# Altium PCB D73-V1.2 交通灯系统.PcbDoc (part 3 of 3)
Units mm, origin at the board's own origin, x right, y up, seen from the top; angles counter-clockwise.
Board outline 234.25 x 96.25 mm, 2 copper layers (TopLayer, BottomLayer); 84 components, 157 nets, 428 pads, 59 vias.
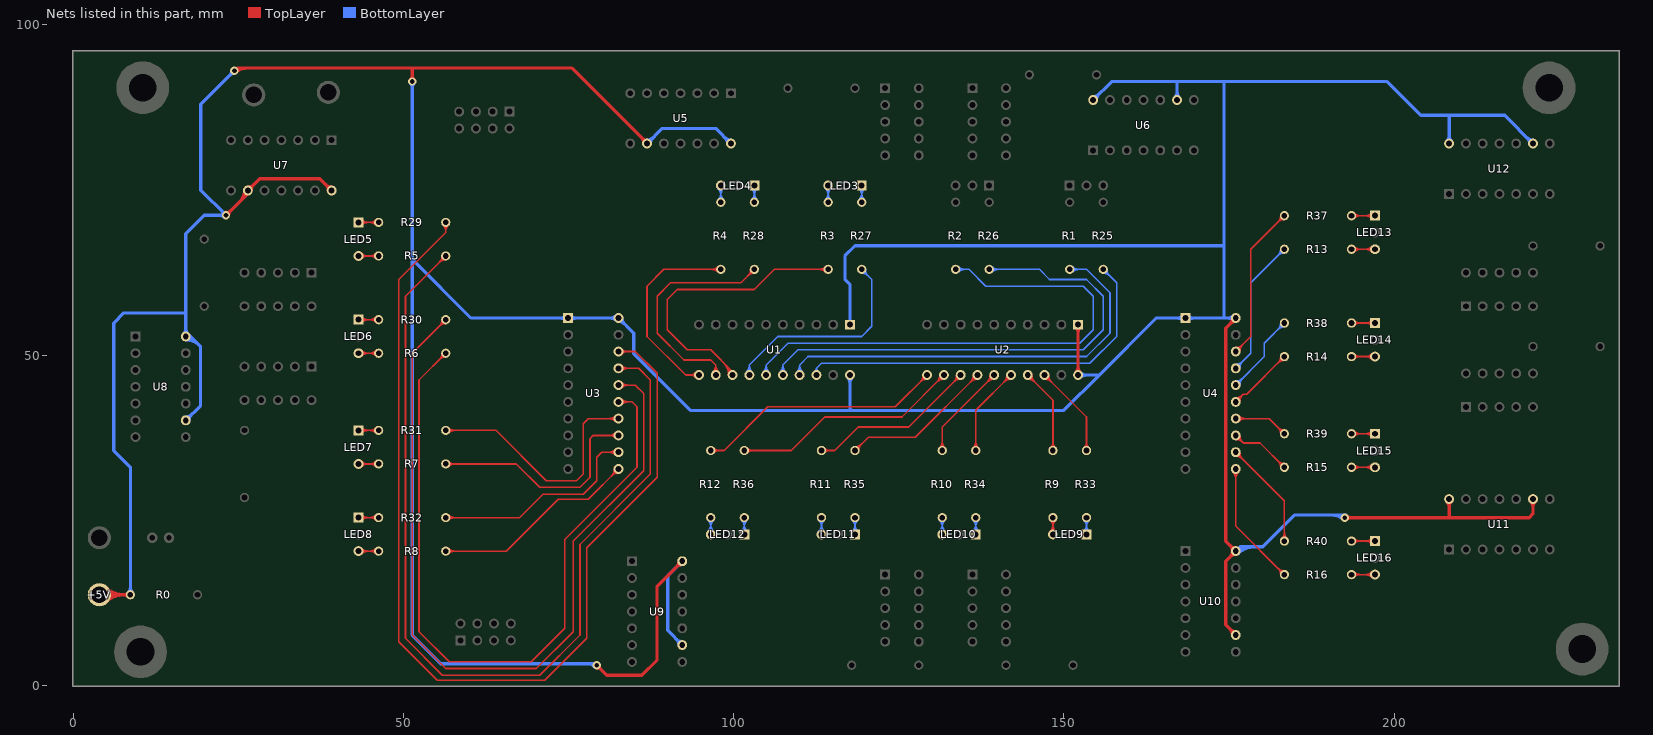
[diagram p3: the nets of this part, all layers, seen from the top]

## Via types
v1: diameter 1, hole 0.7, TopLayer to BottomLayer, 39 vias
v2: diameter 1.27, hole 0.711, TopLayer to BottomLayer, 20 vias

## Nets (pads, with @x,y where several pads share a name; then routed paths per layer and width w, separated by ;. In a path a pad name is that pad's centre, name@x,y a point inside that pad or via, vN(x,y) a via of type N, cw(c..) or ccw(c..) an arc to the next point about the centre after c; other vN are vias at no path point) (continued)
NetLED3_1: LED3.1 R27.2 | length 9.7
  BottomLayer w0.254: LED3.1@118.939,75.251 cw(c117.876,74.188) 119.38,74.188 cw(c120.884,74.188) LED3.1@119.821,75.251 ; R27.2@118.975,73.557 ccw(c117.997,74.535) 119.38,74.535 ccw(c120.763,74.535) R27.2@119.785,73.557 ; LED3.1@119.119,75.431 cw(c118.489,74.801) 119.38,74.801 cw(c120.271,74.801) LED3.1@119.641,75.431 ; R27.2@119.154,73.378 ccw(c118.61,73.922) 119.38,73.922 ccw(c120.15,73.922) R27.2@119.606,73.378 ; R27.2@119.38,73.152 LED3.1@119.38,75.692
NetLED3_3: LED3.3 R3.2 | length 9.7
  BottomLayer w0.254: LED3.3@113.859,75.251 cw(c112.796,74.188) 114.3,74.188 cw(c115.804,74.188) LED3.3@114.741,75.251 ; R3.2@113.895,73.557 ccw(c112.917,74.535) 114.3,74.535 ccw(c115.683,74.535) R3.2@114.705,73.557 ; LED3.3@114.039,75.431 cw(c113.409,74.801) 114.3,74.801 cw(c115.191,74.801) LED3.3@114.561,75.431 ; R3.2@114.074,73.378 ccw(c113.53,73.922) 114.3,73.922 ccw(c115.07,73.922) R3.2@114.526,73.378 ; R3.2@114.3,73.152 LED3.3@114.3,75.692
NetLED4_1: LED4.1 R28.2 | length 9.7
  BottomLayer w0.254: LED4.1@102.683,75.251 cw(c101.62,74.188) 103.124,74.188 cw(c104.628,74.188) LED4.1@103.565,75.251 ; R28.2@102.719,73.557 ccw(c101.741,74.535) 103.124,74.535 ccw(c104.507,74.535) R28.2@103.529,73.557 ; LED4.1@102.863,75.431 cw(c102.233,74.801) 103.124,74.801 cw(c104.015,74.801) LED4.1@103.385,75.431 ; R28.2@102.898,73.378 ccw(c102.354,73.922) 103.124,73.922 ccw(c103.894,73.922) R28.2@103.35,73.378 ; R28.2@103.124,73.152 LED4.1@103.124,75.692
NetLED4_3: LED4.3 R4.2 | length 9.7
  BottomLayer w0.254: LED4.3@97.603,75.251 cw(c96.54,74.188) 98.044,74.188 cw(c99.548,74.188) LED4.3@98.485,75.251 ; R4.2@97.639,73.557 ccw(c96.661,74.535) 98.044,74.535 ccw(c99.427,74.535) R4.2@98.449,73.557 ; LED4.3@97.783,75.431 cw(c97.153,74.801) 98.044,74.801 cw(c98.935,74.801) LED4.3@98.305,75.431 ; R4.2@97.818,73.378 ccw(c97.274,73.922) 98.044,73.922 ccw(c98.814,73.922) R4.2@98.27,73.378 ; R4.2@98.044,73.152 LED4.3@98.044,75.692
NetLED5_1: LED5.1 R29.1 | length 10.2
  TopLayer w0.254: LED5.1@43.18,70.104 R29.1@46.228,70.104 ; LED5.1@43.441,69.843 cw(c44.071,69.213) 44.071,70.104 cw(c44.071,70.995) LED5.1@43.441,70.365 ; LED5.1@43.621,69.663 cw(c44.684,68.6) 44.684,70.104 cw(c44.684,71.608) LED5.1@43.621,70.545 ; R29.1@45.823,69.699 ccw(c44.845,68.721) 44.845,70.104 ccw(c44.845,71.487) R29.1@45.823,70.509 ; R29.1@46.002,69.878 ccw(c45.458,69.334) 45.458,70.104 ccw(c45.458,70.874) R29.1@46.002,70.33
NetLED5_3: LED5.3 R5.2 | length 10.2
  TopLayer w0.254: LED5.3@43.18,65.024 R5.2@46.228,65.024 ; LED5.3@43.441,64.763 cw(c44.071,64.133) 44.071,65.024 cw(c44.071,65.915) LED5.3@43.441,65.285 ; LED5.3@43.621,64.583 cw(c44.684,63.52) 44.684,65.024 cw(c44.684,66.528) LED5.3@43.621,65.465 ; R5.2@45.823,64.619 ccw(c44.845,63.641) 44.845,65.024 ccw(c44.845,66.407) R5.2@45.823,65.429 ; R5.2@46.002,64.798 ccw(c45.458,64.254) 45.458,65.024 ccw(c45.458,65.794) R5.2@46.002,65.25
NetLED6_1: LED6.1 R30.1 | length 10.2
  TopLayer w0.254: LED6.1@43.18,55.372 R30.1@46.228,55.372 ; LED6.1@43.441,55.111 cw(c44.071,54.481) 44.071,55.372 cw(c44.071,56.263) LED6.1@43.441,55.633 ; LED6.1@43.621,54.931 cw(c44.684,53.868) 44.684,55.372 cw(c44.684,56.876) LED6.1@43.621,55.813 ; R30.1@45.823,54.967 ccw(c44.845,53.989) 44.845,55.372 ccw(c44.845,56.755) R30.1@45.823,55.777 ; R30.1@46.002,55.146 ccw(c45.458,54.602) 45.458,55.372 ccw(c45.458,56.142) R30.1@46.002,55.598
NetLED6_3: LED6.3 R6.2 | length 10.2
  TopLayer w0.254: LED6.3@43.18,50.292 R6.2@46.228,50.292 ; LED6.3@43.441,50.031 cw(c44.071,49.401) 44.071,50.292 cw(c44.071,51.183) LED6.3@43.441,50.553 ; LED6.3@43.621,49.851 cw(c44.684,48.788) 44.684,50.292 cw(c44.684,51.796) LED6.3@43.621,50.733 ; R6.2@45.823,49.887 ccw(c44.845,48.909) 44.845,50.292 ccw(c44.845,51.675) R6.2@45.823,50.697 ; R6.2@46.002,50.066 ccw(c45.458,49.522) 45.458,50.292 ccw(c45.458,51.062) R6.2@46.002,50.518
NetLED7_1: LED7.1 R31.1 | length 10.2
  TopLayer w0.254: LED7.1@43.18,38.608 R31.1@46.228,38.608 ; LED7.1@43.441,38.347 cw(c44.071,37.717) 44.071,38.608 cw(c44.071,39.499) LED7.1@43.441,38.869 ; LED7.1@43.621,38.167 cw(c44.684,37.104) 44.684,38.608 cw(c44.684,40.112) LED7.1@43.621,39.049 ; R31.1@45.823,38.203 ccw(c44.845,37.225) 44.845,38.608 ccw(c44.845,39.991) R31.1@45.823,39.013 ; R31.1@46.002,38.382 ccw(c45.458,37.838) 45.458,38.608 ccw(c45.458,39.378) R31.1@46.002,38.834
NetLED7_3: LED7.3 R7.2 | length 10.2
  TopLayer w0.254: LED7.3@43.18,33.528 R7.2@46.228,33.528 ; LED7.3@43.441,33.267 cw(c44.071,32.637) 44.071,33.528 cw(c44.071,34.419) LED7.3@43.441,33.789 ; LED7.3@43.621,33.087 cw(c44.684,32.024) 44.684,33.528 cw(c44.684,35.032) LED7.3@43.621,33.969 ; R7.2@45.823,33.123 ccw(c44.845,32.145) 44.845,33.528 ccw(c44.845,34.911) R7.2@45.823,33.933 ; R7.2@46.002,33.302 ccw(c45.458,32.758) 45.458,33.528 ccw(c45.458,34.298) R7.2@46.002,33.754
NetLED8_1: LED8.1 R32.1 | length 10.2
  TopLayer w0.254: LED8.1@43.18,25.4 R32.1@46.228,25.4 ; LED8.1@43.441,25.139 cw(c44.071,24.509) 44.071,25.4 cw(c44.071,26.291) LED8.1@43.441,25.661 ; LED8.1@43.621,24.959 cw(c44.684,23.896) 44.684,25.4 cw(c44.684,26.904) LED8.1@43.621,25.841 ; R32.1@45.823,24.995 ccw(c44.845,24.017) 44.845,25.4 ccw(c44.845,26.783) R32.1@45.823,25.805 ; R32.1@46.002,25.174 ccw(c45.458,24.63) 45.458,25.4 ccw(c45.458,26.17) R32.1@46.002,25.626
NetLED8_3: LED8.3 R8.2 | length 10.2
  TopLayer w0.254: LED8.3@43.18,20.32 R8.2@46.228,20.32 ; LED8.3@43.441,20.059 cw(c44.071,19.429) 44.071,20.32 cw(c44.071,21.211) LED8.3@43.441,20.581 ; LED8.3@43.621,19.879 cw(c44.684,18.816) 44.684,20.32 cw(c44.684,21.824) LED8.3@43.621,20.761 ; R8.2@45.823,19.915 ccw(c44.845,18.937) 44.845,20.32 ccw(c44.845,21.703) R8.2@45.823,20.725 ; R8.2@46.002,20.094 ccw(c45.458,19.55) 45.458,20.32 ccw(c45.458,21.09) R8.2@46.002,20.546
NetLED9_1: LED9.1 R33.2 | length 9.7
  BottomLayer w0.254: LED9.1@152.975,23.301 ccw(c151.912,24.364) 153.416,24.364 ccw(c154.92,24.364) LED9.1@153.857,23.301 ; R33.2@153.011,24.995 cw(c152.033,24.017) 153.416,24.017 cw(c154.799,24.017) R33.2@153.821,24.995 ; LED9.1@153.155,23.121 ccw(c152.525,23.751) 153.416,23.751 ccw(c154.307,23.751) LED9.1@153.677,23.121 ; R33.2@153.19,25.174 cw(c152.646,24.63) 153.416,24.63 cw(c154.186,24.63) R33.2@153.642,25.174 ; LED9.1@153.416,22.86 R33.2@153.416,25.4
NetLED9_3: LED9.3 R9.2 | length 9.7
  TopLayer w0.254: LED9.3@147.895,23.301 ccw(c146.832,24.364) 148.336,24.364 ccw(c149.84,24.364) LED9.3@148.777,23.301 ; R9.2@147.931,24.995 cw(c146.953,24.017) 148.336,24.017 cw(c149.719,24.017) R9.2@148.741,24.995 ; LED9.3@148.075,23.121 ccw(c147.445,23.751) 148.336,23.751 ccw(c149.227,23.751) LED9.3@148.597,23.121 ; R9.2@148.11,25.174 cw(c147.566,24.63) 148.336,24.63 cw(c149.106,24.63) R9.2@148.562,25.174 ; LED9.3@148.336,22.86 R9.2@148.336,25.4
NetLED10_1: LED10.1 R34.2 | length 9.7
  BottomLayer w0.254: LED10.1@136.211,23.301 ccw(c135.148,24.364) 136.652,24.364 ccw(c138.156,24.364) LED10.1@137.093,23.301 ; R34.2@136.247,24.995 cw(c135.269,24.017) 136.652,24.017 cw(c138.035,24.017) R34.2@137.057,24.995 ; LED10.1@136.391,23.121 ccw(c135.761,23.751) 136.652,23.751 ccw(c137.543,23.751) LED10.1@136.913,23.121 ; R34.2@136.426,25.174 cw(c135.882,24.63) 136.652,24.63 cw(c137.422,24.63) R34.2@136.878,25.174 ; LED10.1@136.652,22.86 R34.2@136.652,25.4
NetLED10_3: LED10.3 R10.2 | length 9.7
  BottomLayer w0.254: LED10.3@131.131,23.301 ccw(c130.068,24.364) 131.572,24.364 ccw(c133.076,24.364) LED10.3@132.013,23.301 ; R10.2@131.167,24.995 cw(c130.189,24.017) 131.572,24.017 cw(c132.955,24.017) R10.2@131.977,24.995 ; LED10.3@131.311,23.121 ccw(c130.681,23.751) 131.572,23.751 ccw(c132.463,23.751) LED10.3@131.833,23.121 ; R10.2@131.346,25.174 cw(c130.802,24.63) 131.572,24.63 cw(c132.342,24.63) R10.2@131.798,25.174 ; LED10.3@131.572,22.86 R10.2@131.572,25.4
NetLED11_1: LED11.1 R35.2 | length 9.7
  BottomLayer w0.254: LED11.1@117.923,23.301 ccw(c116.86,24.364) 118.364,24.364 ccw(c119.868,24.364) LED11.1@118.805,23.301 ; R35.2@117.959,24.995 cw(c116.981,24.017) 118.364,24.017 cw(c119.747,24.017) R35.2@118.769,24.995 ; LED11.1@118.103,23.121 ccw(c117.473,23.751) 118.364,23.751 ccw(c119.255,23.751) LED11.1@118.625,23.121 ; R35.2@118.138,25.174 cw(c117.594,24.63) 118.364,24.63 cw(c119.134,24.63) R35.2@118.59,25.174 ; LED11.1@118.364,22.86 R35.2@118.364,25.4
NetLED11_3: LED11.3 R11.2 | length 9.7
  BottomLayer w0.254: LED11.3@112.843,23.301 ccw(c111.78,24.364) 113.284,24.364 ccw(c114.788,24.364) LED11.3@113.725,23.301 ; R11.2@112.879,24.995 cw(c111.901,24.017) 113.284,24.017 cw(c114.667,24.017) R11.2@113.689,24.995 ; LED11.3@113.023,23.121 ccw(c112.393,23.751) 113.284,23.751 ccw(c114.175,23.751) LED11.3@113.545,23.121 ; R11.2@113.058,25.174 cw(c112.514,24.63) 113.284,24.63 cw(c114.054,24.63) R11.2@113.51,25.174 ; LED11.3@113.284,22.86 R11.2@113.284,25.4
NetLED12_1: LED12.1 R36.2 | length 9.7
  BottomLayer w0.254: LED12.1@101.159,23.301 ccw(c100.096,24.364) 101.6,24.364 ccw(c103.104,24.364) LED12.1@102.041,23.301 ; R36.2@101.195,24.995 cw(c100.217,24.017) 101.6,24.017 cw(c102.983,24.017) R36.2@102.005,24.995 ; LED12.1@101.339,23.121 ccw(c100.709,23.751) 101.6,23.751 ccw(c102.491,23.751) LED12.1@101.861,23.121 ; R36.2@101.374,25.174 cw(c100.83,24.63) 101.6,24.63 cw(c102.37,24.63) R36.2@101.826,25.174 ; LED12.1@101.6,22.86 R36.2@101.6,25.4
NetLED12_3: LED12.3 R12.2 | length 9.7
  BottomLayer w0.254: LED12.3@96.079,23.301 ccw(c95.016,24.364) 96.52,24.364 ccw(c98.024,24.364) LED12.3@96.961,23.301 ; R12.2@96.115,24.995 cw(c95.137,24.017) 96.52,24.017 cw(c97.903,24.017) R12.2@96.925,24.995 ; LED12.3@96.259,23.121 ccw(c95.629,23.751) 96.52,23.751 ccw(c97.411,23.751) LED12.3@96.781,23.121 ; R12.2@96.294,25.174 cw(c95.75,24.63) 96.52,24.63 cw(c97.29,24.63) R12.2@96.746,25.174 ; LED12.3@96.52,22.86 R12.2@96.52,25.4
NetLED13_1: LED13.1 R37.2 | length 10.7
  TopLayer w0.254: R37.2@193.548,71.12 LED13.1@197.104,71.12 ; R37.2@193.774,70.894 cw(c194.318,70.35) 194.318,71.12 cw(c194.318,71.89) R37.2@193.774,71.346 ; R37.2@193.953,70.715 cw(c194.931,69.737) 194.931,71.12 cw(c194.931,72.503) R37.2@193.953,71.525 ; LED13.1@196.663,70.679 ccw(c195.6,69.616) 195.6,71.12 ccw(c195.6,72.624) LED13.1@196.663,71.561 ; LED13.1@196.843,70.859 ccw(c196.213,70.229) 196.213,71.12 ccw(c196.213,72.011) LED13.1@196.843,71.381
NetLED13_3: LED13.3 R13.2 | length 10.7
  TopLayer w0.254: R13.2@193.548,66.04 LED13.3@197.104,66.04 ; R13.2@193.774,65.814 cw(c194.318,65.27) 194.318,66.04 cw(c194.318,66.81) R13.2@193.774,66.266 ; R13.2@193.953,65.635 cw(c194.931,64.657) 194.931,66.04 cw(c194.931,67.423) R13.2@193.953,66.445 ; LED13.3@196.663,65.599 ccw(c195.6,64.536) 195.6,66.04 ccw(c195.6,67.544) LED13.3@196.663,66.481 ; LED13.3@196.843,65.779 ccw(c196.213,65.149) 196.213,66.04 ccw(c196.213,66.931) LED13.3@196.843,66.301
NetLED14_1: LED14.1 R38.2 | length 10.7
  TopLayer w0.254: R38.2@193.548,54.864 LED14.1@197.104,54.864 ; R38.2@193.774,54.638 cw(c194.318,54.094) 194.318,54.864 cw(c194.318,55.634) R38.2@193.774,55.09 ; R38.2@193.953,54.459 cw(c194.931,53.481) 194.931,54.864 cw(c194.931,56.247) R38.2@193.953,55.269 ; LED14.1@196.663,54.423 ccw(c195.6,53.36) 195.6,54.864 ccw(c195.6,56.368) LED14.1@196.663,55.305 ; LED14.1@196.843,54.603 ccw(c196.213,53.973) 196.213,54.864 ccw(c196.213,55.755) LED14.1@196.843,55.125
NetLED14_3: LED14.3 R14.2 | length 10.7
  TopLayer w0.254: R14.2@193.548,49.784 LED14.3@197.104,49.784 ; R14.2@193.774,49.558 cw(c194.318,49.014) 194.318,49.784 cw(c194.318,50.554) R14.2@193.774,50.01 ; R14.2@193.953,49.379 cw(c194.931,48.401) 194.931,49.784 cw(c194.931,51.167) R14.2@193.953,50.189 ; LED14.3@196.663,49.343 ccw(c195.6,48.28) 195.6,49.784 ccw(c195.6,51.288) LED14.3@196.663,50.225 ; LED14.3@196.843,49.523 ccw(c196.213,48.893) 196.213,49.784 ccw(c196.213,50.675) LED14.3@196.843,50.045
NetLED15_1: LED15.1 R39.2 | length 10.7
  TopLayer w0.254: R39.2@193.548,38.1 LED15.1@197.104,38.1 ; R39.2@193.774,37.874 cw(c194.318,37.33) 194.318,38.1 cw(c194.318,38.87) R39.2@193.774,38.326 ; R39.2@193.953,37.695 cw(c194.931,36.717) 194.931,38.1 cw(c194.931,39.483) R39.2@193.953,38.505 ; LED15.1@196.663,37.659 ccw(c195.6,36.596) 195.6,38.1 ccw(c195.6,39.604) LED15.1@196.663,38.541 ; LED15.1@196.843,37.839 ccw(c196.213,37.209) 196.213,38.1 ccw(c196.213,38.991) LED15.1@196.843,38.361
NetLED15_3: LED15.3 R15.2 | length 10.7
  TopLayer w0.254: R15.2@193.548,33.02 LED15.3@197.104,33.02 ; R15.2@193.774,32.794 cw(c194.318,32.25) 194.318,33.02 cw(c194.318,33.79) R15.2@193.774,33.246 ; R15.2@193.953,32.615 cw(c194.931,31.637) 194.931,33.02 cw(c194.931,34.403) R15.2@193.953,33.425 ; LED15.3@196.663,32.579 ccw(c195.6,31.516) 195.6,33.02 ccw(c195.6,34.524) LED15.3@196.663,33.461 ; LED15.3@196.843,32.759 ccw(c196.213,32.129) 196.213,33.02 ccw(c196.213,33.911) LED15.3@196.843,33.281
NetLED16_1: LED16.1 R40.2 | length 10.7
  TopLayer w0.254: R40.2@193.548,21.844 LED16.1@197.104,21.844 ; R40.2@193.774,21.618 cw(c194.318,21.074) 194.318,21.844 cw(c194.318,22.614) R40.2@193.774,22.07 ; R40.2@193.953,21.439 cw(c194.931,20.461) 194.931,21.844 cw(c194.931,23.227) R40.2@193.953,22.249 ; LED16.1@196.663,21.403 ccw(c195.6,20.34) 195.6,21.844 ccw(c195.6,23.348) LED16.1@196.663,22.285 ; LED16.1@196.843,21.583 ccw(c196.213,20.953) 196.213,21.844 ccw(c196.213,22.735) LED16.1@196.843,22.105
NetLED16_3: LED16.3 R16.2 | length 10.7
  TopLayer w0.254: R16.2@193.548,16.764 LED16.3@197.104,16.764 ; R16.2@193.774,16.538 cw(c194.318,15.994) 194.318,16.764 cw(c194.318,17.534) R16.2@193.774,16.99 ; R16.2@193.953,16.359 cw(c194.931,15.381) 194.931,16.764 cw(c194.931,18.147) R16.2@193.953,17.169 ; LED16.3@196.663,16.323 ccw(c195.6,15.26) 195.6,16.764 ccw(c195.6,18.268) LED16.3@196.663,17.205 ; LED16.3@196.843,16.503 ccw(c196.213,15.873) 196.213,16.764 ccw(c196.213,17.655) LED16.3@196.843,17.025
NetR1_1: R1.1 U1.17 | length 71.3
  BottomLayer w0.254: U1.17@109.541,47.431 ccw(c108.478,48.494) 109.982,48.494 ccw(c111.486,48.494) U1.17@110.423,47.431 ; U1.17@109.721,47.251 ccw(c109.091,47.881) 109.982,47.881 ccw(c110.873,47.881) U1.17@110.243,47.251 ; U1.17@109.982,46.99 109.982,48.514 111.252,49.784 153.416,49.784 156.972,53.34 156.972,59.436 153.416,62.992 R1.1@150.876,62.992 ; R1.1@151.102,62.766 cw(c151.646,62.222) 151.646,62.992 cw(c151.646,63.762) R1.1@151.102,63.218 ; R1.1@151.281,62.587 cw(c152.259,61.609) 152.259,62.992 cw(c152.259,64.375) R1.1@151.281,63.397
NetR2_1: R2.1 U1.15 | length 88
  BottomLayer w0.254: U1.15@104.461,47.431 ccw(c103.398,48.494) 104.902,48.494 ccw(c106.406,48.494) U1.15@105.343,47.431 ; U1.15@104.641,47.251 ccw(c104.011,47.881) 104.902,47.881 ccw(c105.793,47.881) U1.15@105.163,47.251 ; U1.15@104.902,46.99 104.902,48.514 108.204,51.816 152.4,51.816 154.432,53.848 154.432,58.928 152.908,60.452 138.176,60.452 135.636,62.992 R2.1@133.604,62.992 ; R2.1@133.83,62.766 cw(c134.374,62.222) 134.374,62.992 cw(c134.374,63.762) R2.1@133.83,63.218 ; R2.1@134.009,62.587 cw(c134.987,61.609) 134.987,62.992 cw(c134.987,64.375) R2.1@134.009,63.397
NetR3_1: R3.1 U1.13 | length 52.3
  TopLayer w0.254: 98.399,48.921 cw(c96.469,46.99) U1.13@99.199,46.99 ; 98.833,48.487 cw(c97.336,46.99) U1.13@99.453,46.99 ; 99.266,48.054 cw(c98.203,46.99) U1.13@99.707,46.99 ; U1.13@99.822,46.99 99.822,47.498 96.52,50.8 92.964,50.8 89.916,53.848 89.916,58.42 91.44,59.944 103.124,59.944 106.172,62.992 R3.1@114.3,62.992 ; R3.1@113.895,62.587 ccw(c112.917,61.609) 112.917,62.992 ccw(c112.917,64.375) R3.1@113.895,63.397 ; R3.1@114.074,62.766 ccw(c113.53,62.222) 113.53,62.992 ccw(c113.53,63.762) R3.1@114.074,63.218
NetR4_1: R4.1 U1.11 | length 37.3
  TopLayer w0.254: U1.11@94.301,46.549 ccw(c93.238,45.486) 93.238,46.99 ccw(c93.238,48.494) U1.11@94.301,47.431 ; U1.11@94.481,46.729 ccw(c93.851,46.099) 93.851,46.99 ccw(c93.851,47.881) U1.11@94.481,47.251 ; U1.11@94.742,46.99 92.71,46.99 86.868,52.832 86.868,60.452 89.408,62.992 R4.1@98.044,62.992 ; R4.1@97.639,62.587 ccw(c96.661,61.609) 96.661,62.992 ccw(c96.661,64.375) R4.1@97.639,63.397 ; R4.1@97.818,62.766 ccw(c97.274,62.222) 97.274,62.992 ccw(c97.274,63.762) R4.1@97.818,63.218
NetR5_1: R5.1 U3.17 | length 147.4
  TopLayer w0.254: R5.1@55.815,65.024 cw(c54.432,65.024) 55.41,64.046 cw(c56.388,63.068) R5.1@56.388,64.451 ; R5.1@56.069,65.024 cw(c55.299,65.024) 55.843,64.479 cw(c56.388,63.935) R5.1@56.388,64.705 ; R5.1@56.388,65.024 50.292,58.928 50.292,7.112 55.88,1.524 70.612,1.524 76.708,7.62 76.708,21.336 87.376,32.004 87.376,46.228 85.598,48.006 U3.17@82.55,48.006 ; U3.17@82.811,47.745 cw(c83.441,47.115) 83.441,48.006 cw(c83.441,48.897) U3.17@82.811,48.267 ; U3.17@82.991,47.565 cw(c84.054,46.502) 84.054,48.006 cw(c84.054,49.51) U3.17@82.991,48.447
NetR6_1: R6.1 U3.15 | length 118.3
  TopLayer w0.254: R6.1@55.815,50.292 cw(c54.432,50.292) 55.41,49.314 cw(c56.388,48.336) R6.1@56.388,49.719 ; R6.1@56.069,50.292 cw(c55.299,50.292) 55.843,49.747 cw(c56.388,49.203) R6.1@56.388,49.973 ; R6.1@56.388,50.292 52.324,46.228 52.324,8.128 56.896,3.556 69.349,3.556 74.414,8.621 74.414,22.09 85.344,33.02 85.344,42.164 84.582,42.926 U3.15@82.55,42.926 ; U3.15@82.811,42.665 cw(c83.441,42.035) 83.441,42.926 cw(c83.441,43.817) U3.15@82.811,43.187 ; U3.15@82.991,42.485 cw(c84.054,41.422) 84.054,42.926 cw(c84.054,44.43) U3.15@82.991,43.367
NetR7_1: R7.1 U3.13 | length 41.5
  TopLayer w0.254: R7.1@56.388,33.528 67.056,33.528 70.612,29.972 76.708,29.972 78.232,31.496 78.232,37.346 78.732,37.846 U3.13@82.55,37.846 ; R7.1@56.614,33.302 cw(c57.158,32.758) 57.158,33.528 cw(c57.158,34.298) R7.1@56.614,33.754 ; R7.1@56.793,33.123 cw(c57.771,32.145) 57.771,33.528 cw(c57.771,34.911) R7.1@56.793,33.933 ; U3.13@82.109,37.405 ccw(c81.046,36.342) 81.046,37.846 ccw(c81.046,39.35) U3.13@82.109,38.287 ; U3.13@82.289,37.585 ccw(c81.659,36.955) 81.659,37.846 ccw(c81.659,38.737) U3.13@82.289,38.107
NetR8_1: R8.1 U3.11 | length 38.5
  TopLayer w0.254: R8.1@56.388,20.32 65.532,20.32 73.412,28.2 77.984,28.2 U3.11@82.55,32.766 ; R8.1@56.614,20.094 cw(c57.158,19.55) 57.158,20.32 cw(c57.158,21.09) R8.1@56.614,20.546 ; R8.1@56.793,19.915 cw(c57.771,18.937) 57.771,20.32 cw(c57.771,21.703) R8.1@56.793,20.725 ; U3.11@81.927,32.766 cw(c80.423,32.766) 81.486,31.702 cw(c82.55,30.639) U3.11@82.55,32.143 ; U3.11@82.181,32.766 cw(c81.29,32.766) 81.92,32.136 cw(c82.55,31.506) U3.11@82.55,32.397
NetR9_1: R9.1 U2.17 | length 20.2
  TopLayer w0.254: U2.17@144.526,46.367 cw(c144.526,44.863) 145.59,45.926 cw(c146.653,46.99) U2.17@145.149,46.99 ; U2.17@144.526,46.621 cw(c144.526,45.73) 145.156,46.36 cw(c145.786,46.99) U2.17@144.895,46.99 ; U2.17@144.526,46.99 148.336,43.18 R9.1@148.336,35.56 ; R9.1@147.931,35.965 ccw(c146.953,36.943) 148.336,36.943 ccw(c149.719,36.943) R9.1@148.741,35.965 ; R9.1@148.11,35.786 ccw(c147.566,36.33) 148.336,36.33 ccw(c149.106,36.33) R9.1@148.562,35.786
NetR10_1: R10.1 U2.15 | length 21.8
  TopLayer w0.254: R10.1@131.167,35.965 ccw(c130.189,36.943) 131.572,36.943 ccw(c132.955,36.943) R10.1@131.977,35.965 ; R10.1@131.346,35.786 ccw(c130.802,36.33) 131.572,36.33 ccw(c132.342,36.33) R10.1@131.798,35.786 ; R10.1@131.572,35.56 131.572,39.116 U2.15@139.446,46.99 ; U2.15@138.823,46.99 cw(c137.319,46.99) 138.382,45.926 cw(c139.446,44.863) U2.15@139.446,46.367 ; U2.15@139.077,46.99 cw(c138.186,46.99) 138.816,46.36 cw(c139.446,45.73) U2.15@139.446,46.621
NetR11_1: R11.1 U2.13 | length 33
  TopLayer w0.254: R11.1@113.284,35.56 115.316,35.56 118.872,39.116 126.492,39.116 U2.13@134.366,46.99 ; R11.1@113.51,35.334 cw(c114.054,34.79) 114.054,35.56 cw(c114.054,36.33) R11.1@113.51,35.786 ; R11.1@113.689,35.155 cw(c114.667,34.177) 114.667,35.56 cw(c114.667,36.943) R11.1@113.689,35.965 ; U2.13@133.743,46.99 cw(c132.239,46.99) 133.302,45.926 cw(c134.366,44.863) U2.13@134.366,46.367 ; U2.13@133.997,46.99 cw(c133.106,46.99) 133.736,46.36 cw(c134.366,45.73) U2.13@134.366,46.621
NetR12_1: R12.1 U2.11 | length 44.6
  TopLayer w0.254: R12.1@96.52,35.56 98.552,35.56 105.156,42.164 124.46,42.164 U2.11@129.286,46.99 ; R12.1@96.746,35.334 cw(c97.29,34.79) 97.29,35.56 cw(c97.29,36.33) R12.1@96.746,35.786 ; R12.1@96.925,35.155 cw(c97.903,34.177) 97.903,35.56 cw(c97.903,36.943) R12.1@96.925,35.965 ; U2.11@128.663,46.99 cw(c127.159,46.99) 128.222,45.926 cw(c129.286,44.863) U2.11@129.286,46.367 ; U2.11@128.917,46.99 cw(c128.026,46.99) 128.656,46.36 cw(c129.286,45.73) U2.11@129.286,46.621
NetR13_1: R13.1 U4.17 | length 28.2
  BottomLayer w0.254: U4.17@176.022,48.006 178.308,50.292 178.308,60.96 R13.1@183.388,66.04 ; U4.17@176.022,48.375 ccw(c176.022,49.266) 176.652,48.636 ccw(c177.282,48.006) U4.17@176.391,48.006 ; U4.17@176.022,48.629 ccw(c176.022,50.133) 177.086,49.07 ccw(c178.149,48.006) U4.17@176.645,48.006 ; R13.1@182.815,66.04 cw(c181.432,66.04) 182.41,65.062 cw(c183.388,64.084) R13.1@183.388,65.467 ; R13.1@183.069,66.04 cw(c182.299,66.04) 182.843,65.495 cw(c183.388,64.951) R13.1@183.388,65.721
NetR14_1: R14.1 U4.15 | length 17.4
  TopLayer w0.254: U4.15@176.022,42.926 177.165,44.069 177.673,44.069 R14.1@183.388,49.784 ; U4.15@176.022,43.295 ccw(c176.022,44.186) 176.652,43.556 ccw(c177.282,42.926) U4.15@176.391,42.926 ; U4.15@176.022,43.549 ccw(c176.022,45.053) 177.086,43.99 ccw(c178.149,42.926) U4.15@176.645,42.926 ; R14.1@182.815,49.784 cw(c181.432,49.784) 182.41,48.806 cw(c183.388,47.828) R14.1@183.388,49.211 ; R14.1@183.069,49.784 cw(c182.299,49.784) 182.843,49.239 cw(c183.388,48.695) R14.1@183.388,49.465
NetR15_1: R15.1 U4.13 | length 16.5
  TopLayer w0.254: U4.13@176.022,37.223 cw(c176.022,35.719) 177.086,36.782 cw(c178.149,37.846) U4.13@176.645,37.846 ; U4.13@176.022,37.477 cw(c176.022,36.586) 176.652,37.216 cw(c177.282,37.846) U4.13@176.391,37.846 ; U4.13@176.022,37.846 177.165,36.703 179.705,36.703 R15.1@183.388,33.02 ; R15.1@182.815,33.02 ccw(c181.432,33.02) 182.41,33.998 ccw(c183.388,34.976) R15.1@183.388,33.593 ; R15.1@183.069,33.02 ccw(c182.299,33.02) 182.843,33.565 ccw(c183.388,34.109) R15.1@183.388,33.339
NetR16_1: R16.1 U4.11 | length 26.2
  TopLayer w0.254: U4.11@175.581,32.325 cw(c174.518,31.262) 176.022,31.262 cw(c177.526,31.262) U4.11@176.463,32.325 ; U4.11@175.761,32.505 cw(c175.131,31.875) 176.022,31.875 cw(c176.913,31.875) U4.11@176.283,32.505 ; U4.11@176.022,32.766 176.022,24.13 R16.1@183.388,16.764 ; R16.1@182.815,16.764 ccw(c181.432,16.764) 182.41,17.742 ccw(c183.388,18.72) R16.1@183.388,17.337 ; R16.1@183.069,16.764 ccw(c182.299,16.764) 182.843,17.309 ccw(c183.388,17.853) R16.1@183.388,17.083
NetR25_1: R25.1 U1.18 | length 64
  BottomLayer w0.254: U1.18@112.239,47.545 ccw(c112.005,48.006) 112.522,48.006 ; U1.18@112.522,46.99 112.522,48.006 ; U1.18@112.805,47.545 cw(c113.039,48.006) 112.522,48.006 ; R25.1@155.956,62.419 cw(c155.956,61.036) 156.934,62.014 cw(c157.912,62.992) R25.1@156.529,62.992 ; R25.1@155.956,62.673 cw(c155.956,61.903) 156.501,62.447 cw(c157.045,62.992) R25.1@156.275,62.992 ; R25.1@155.956,62.992 157.988,60.96 157.988,52.832 153.924,48.768 113.284,48.768 112.522,48.006
NetR26_1: R26.1 U1.16 | length 83.4
  BottomLayer w0.254: U1.16@107.001,47.431 ccw(c105.938,48.494) 107.442,48.494 ccw(c108.946,48.494) U1.16@107.883,47.431 ; U1.16@107.181,47.251 ccw(c106.551,47.881) 107.442,47.881 ccw(c108.333,47.881) U1.16@107.703,47.251 ; U1.16@107.442,46.99 107.442,48.514 109.728,50.8 152.908,50.8 155.956,53.848 155.956,58.928 153.416,61.468 147.828,61.468 146.304,62.992 R26.1@138.684,62.992 ; R26.1@138.91,62.766 cw(c139.454,62.222) 139.454,62.992 cw(c139.454,63.762) R26.1@138.91,63.218 ; R26.1@139.089,62.587 cw(c140.067,61.609) 140.067,62.992 cw(c140.067,64.375) R26.1@139.089,63.397
NetR27_1: R27.1 U1.14 | length 38.9
  BottomLayer w0.254: U1.14@101.921,47.431 ccw(c100.858,48.494) 102.362,48.494 ccw(c103.866,48.494) U1.14@102.803,47.431 ; U1.14@102.101,47.251 ccw(c101.471,47.881) 102.362,47.881 ccw(c103.253,47.881) U1.14@102.623,47.251 ; U1.14@102.362,46.99 102.362,48.514 106.68,52.832 119.38,52.832 120.904,54.356 120.904,61.468 R27.1@119.38,62.992 ; R27.1@119.38,62.419 cw(c119.38,61.036) 120.358,62.014 cw(c121.336,62.992) R27.1@119.953,62.992 ; R27.1@119.38,62.673 cw(c119.38,61.903) 119.925,62.447 cw(c120.469,62.992) R27.1@119.699,62.992
NetR28_1: R28.1 U1.12 | length 41.6
  TopLayer w0.254: U1.12@96.841,47.431 ccw(c95.778,48.494) 97.282,48.494 ccw(c98.786,48.494) U1.12@97.723,47.431 ; U1.12@97.021,47.251 ccw(c96.391,47.881) 97.282,47.881 ccw(c98.173,47.881) U1.12@97.543,47.251 ; U1.12@97.282,46.99 97.282,48.514 96.52,49.276 92.456,49.276 88.392,53.34 88.392,58.928 90.424,60.96 101.092,60.96 R28.1@103.124,62.992 ; R28.1@102.551,62.992 cw(c101.168,62.992) 102.146,62.014 cw(c103.124,61.036) R28.1@103.124,62.419 ; R28.1@102.805,62.992 cw(c102.035,62.992) 102.579,62.447 cw(c103.124,61.903) R28.1@103.124,62.673
NetR29_2: R29.2 U3.18 | length 158.8
  TopLayer w0.254: R29.2@55.983,69.699 cw(c55.005,68.721) 56.388,68.721 cw(c57.771,68.721) R29.2@56.793,69.699 ; R29.2@56.162,69.878 cw(c55.618,69.334) 56.388,69.334 cw(c57.158,69.334) R29.2@56.614,69.878 ; R29.2@56.388,70.104 56.388,68.58 49.276,61.468 49.276,6.604 55.11,0.77 71.382,0.77 77.724,7.112 77.724,20.828 88.392,31.496 88.392,47.244 85.09,50.546 U3.18@82.55,50.546 ; U3.18@82.811,50.285 cw(c83.441,49.655) 83.441,50.546 cw(c83.441,51.437) U3.18@82.811,50.807 ; U3.18@82.991,50.105 cw(c84.054,49.042) 84.054,50.546 cw(c84.054,52.05) U3.18@82.991,50.987
NetR30_2: R30.2 U3.16 | length 130.6
  TopLayer w0.254: R30.2@55.815,55.372 cw(c54.432,55.372) 55.41,54.394 cw(c56.388,53.416) R30.2@56.388,54.799 ; R30.2@56.069,55.372 cw(c55.299,55.372) 55.843,54.827 cw(c56.388,54.283) R30.2@56.388,55.053 ; R30.2@56.388,55.372 51.308,50.292 51.308,7.62 56.388,2.54 70.104,2.54 75.692,8.128 75.692,21.844 86.36,32.512 86.36,44.196 85.09,45.466 U3.16@82.55,45.466 ; U3.16@82.811,45.205 cw(c83.441,44.575) 83.441,45.466 cw(c83.441,46.357) U3.16@82.811,45.727 ; U3.16@82.991,45.025 cw(c84.054,43.962) 84.054,45.466 cw(c84.054,46.97) U3.16@82.991,45.907
NetR31_2: R31.2 U3.14 | length 44.8
  TopLayer w0.254: R31.2@56.388,38.608 64.008,38.608 71.628,30.988 76.2,30.988 77.216,32.004 77.216,39.624 77.978,40.386 U3.14@82.55,40.386 ; R31.2@56.614,38.382 cw(c57.158,37.838) 57.158,38.608 cw(c57.158,39.378) R31.2@56.614,38.834 ; R31.2@56.793,38.203 cw(c57.771,37.225) 57.771,38.608 cw(c57.771,39.991) R31.2@56.793,39.013 ; U3.14@82.109,39.945 ccw(c81.046,38.882) 81.046,40.386 ccw(c81.046,41.89) U3.14@82.109,40.827 ; U3.14@82.289,40.125 ccw(c81.659,39.495) 81.659,40.386 ccw(c81.659,41.277) U3.14@82.289,40.647
NetR32_2: R32.2 U3.12 | length 39.5
  TopLayer w0.254: R32.2@56.388,25.4 67.564,25.4 71.12,28.956 77.216,28.956 79.248,30.988 79.248,34.544 80.01,35.306 U3.12@82.55,35.306 ; R32.2@56.614,25.174 cw(c57.158,24.63) 57.158,25.4 cw(c57.158,26.17) R32.2@56.614,25.626 ; R32.2@56.793,24.995 cw(c57.771,24.017) 57.771,25.4 cw(c57.771,26.783) R32.2@56.793,25.805 ; U3.12@82.109,34.865 ccw(c81.046,33.802) 81.046,35.306 ccw(c81.046,36.81) U3.12@82.109,35.747 ; U3.12@82.289,35.045 ccw(c81.659,34.415) 81.659,35.306 ccw(c81.659,36.197) U3.12@82.289,35.567
NetR33_1: R33.1 U2.18 | length 21.2
  TopLayer w0.254: U2.18@147.066,46.367 cw(c147.066,44.863) 148.13,45.926 cw(c149.193,46.99) U2.18@147.689,46.99 ; U2.18@147.066,46.621 cw(c147.066,45.73) 147.696,46.36 cw(c148.326,46.99) U2.18@147.435,46.99 ; U2.18@147.066,46.99 153.416,40.64 R33.1@153.416,35.56 ; R33.1@153.011,35.965 ccw(c152.033,36.943) 153.416,36.943 ccw(c154.799,36.943) R33.1@153.821,35.965 ; R33.1@153.19,35.786 ccw(c152.646,36.33) 153.416,36.33 ccw(c154.186,36.33) R33.1@153.642,35.786
NetR34_1: R34.1 U2.16 | length 20.8
  TopLayer w0.254: R34.1@136.247,35.965 ccw(c135.269,36.943) 136.652,36.943 ccw(c138.035,36.943) R34.1@137.057,35.965 ; R34.1@136.426,35.786 ccw(c135.882,36.33) 136.652,36.33 ccw(c137.422,36.33) R34.1@136.878,35.786 ; R34.1@136.652,35.56 136.652,41.656 U2.16@141.986,46.99 ; U2.16@141.363,46.99 cw(c139.859,46.99) 140.922,45.926 cw(c141.986,44.863) U2.16@141.986,46.367 ; U2.16@141.617,46.99 cw(c140.726,46.99) 141.356,46.36 cw(c141.986,45.73) U2.16@141.986,46.621
NetR35_1: R35.1 U2.14 | length 30.4
  TopLayer w0.254: R35.1@118.364,35.56 120.396,37.592 127.508,37.592 U2.14@136.906,46.99 ; R35.1@118.364,35.879 ccw(c118.364,36.649) 118.909,36.105 ccw(c119.453,35.56) R35.1@118.683,35.56 ; R35.1@118.364,36.133 ccw(c118.364,37.516) 119.342,36.538 ccw(c120.32,35.56) R35.1@118.937,35.56 ; U2.14@136.283,46.99 cw(c134.779,46.99) 135.842,45.926 cw(c136.906,44.863) U2.14@136.906,46.367 ; U2.14@136.537,46.99 cw(c135.646,46.99) 136.276,46.36 cw(c136.906,45.73) U2.14@136.906,46.621
NetR36_1: R36.1 U2.12 | length 42.1
  TopLayer w0.254: R36.1@101.6,35.56 108.712,35.56 113.792,40.64 125.476,40.64 U2.12@131.826,46.99 ; R36.1@101.826,35.334 cw(c102.37,34.79) 102.37,35.56 cw(c102.37,36.33) R36.1@101.826,35.786 ; R36.1@102.005,35.155 cw(c102.983,34.177) 102.983,35.56 cw(c102.983,36.943) R36.1@102.005,35.965 ; U2.12@131.203,46.99 cw(c129.699,46.99) 130.762,45.926 cw(c131.826,44.863) U2.12@131.826,46.367 ; U2.12@131.457,46.99 cw(c130.566,46.99) 131.196,46.36 cw(c131.826,45.73) U2.12@131.826,46.621
NetR37_1: R37.1 U4.18 | length 30.8
  TopLayer w0.254: U4.18@176.022,50.546 178.308,52.832 178.308,66.04 R37.1@183.388,71.12 ; U4.18@176.022,50.915 ccw(c176.022,51.806) 176.652,51.176 ccw(c177.282,50.546) U4.18@176.391,50.546 ; U4.18@176.022,51.169 ccw(c176.022,52.673) 177.086,51.61 ccw(c178.149,50.546) U4.18@176.645,50.546 ; R37.1@182.815,71.12 cw(c181.432,71.12) 182.41,70.142 cw(c183.388,69.164) R37.1@183.388,70.547 ; R37.1@183.069,71.12 cw(c182.299,71.12) 182.843,70.575 cw(c183.388,70.031) R37.1@183.388,70.801
NetR38_1: R38.1 U4.16 | length 19.6
  BottomLayer w0.254: U4.16@176.022,45.466 180.34,49.784 180.34,51.816 R38.1@183.388,54.864 ; U4.16@176.022,45.835 ccw(c176.022,46.726) 176.652,46.096 ccw(c177.282,45.466) U4.16@176.391,45.466 ; U4.16@176.022,46.089 ccw(c176.022,47.593) 177.086,46.53 ccw(c178.149,45.466) U4.16@176.645,45.466 ; R38.1@182.815,54.864 cw(c181.432,54.864) 182.41,53.886 cw(c183.388,52.908) R38.1@183.388,54.291 ; R38.1@183.069,54.864 cw(c182.299,54.864) 182.843,54.319 cw(c183.388,53.775) R38.1@183.388,54.545
NetR39_1: R39.1 U4.14 | length 15.5
  TopLayer w0.254: U4.14@176.022,40.386 181.102,40.386 R39.1@183.388,38.1 ; U4.14@176.283,40.125 cw(c176.913,39.495) 176.913,40.386 cw(c176.913,41.277) U4.14@176.283,40.647 ; U4.14@176.463,39.945 cw(c177.526,38.882) 177.526,40.386 cw(c177.526,41.89) U4.14@176.463,40.827 ; R39.1@182.815,38.1 ccw(c181.432,38.1) 182.41,39.078 ccw(c183.388,40.056) R39.1@183.388,38.673 ; R39.1@183.069,38.1 ccw(c182.299,38.1) 182.843,38.645 ccw(c183.388,39.189) R39.1@183.388,38.419
NetR40_1: R40.1 U4.12 | length 23.7
  TopLayer w0.254: U4.12@176.022,34.683 cw(c176.022,33.179) 177.086,34.242 cw(c178.149,35.306) U4.12@176.645,35.306 ; U4.12@176.022,34.937 cw(c176.022,34.046) 176.652,34.676 cw(c177.282,35.306) U4.12@176.391,35.306 ; U4.12@176.022,35.306 183.388,27.94 R40.1@183.388,21.844 ; R40.1@182.983,22.249 ccw(c182.005,23.227) 183.388,23.227 ccw(c184.771,23.227) R40.1@183.793,22.249 ; R40.1@183.162,22.07 ccw(c182.618,22.614) 183.388,22.614 ccw(c184.158,22.614) R40.1@183.614,22.07
VCC: +5V.1 R0.1 U1.1 U1.20 U2.1 U2.20 U3.1 U3.20 U4.1 U4.20 U5.9 U5.14 U6.9 U6.14 U7.9 U7.14 U8.9 U8.14 U9.9 U9.14 U10.9 U10.14 U11.9 U11.14 U12.9 U12.14 | length 927.7
  TopLayer w0.5: +5V.1@3.937,13.716 R0.1@8.636,13.716 ; +5V.1@4.644,13.009 cw(c6.351,11.302) 6.351,13.716 cw(c6.351,16.13) +5V.1@4.644,14.423 ; +5V.1@4.998,12.655 cw(c7.558,10.095) 7.558,13.716 cw(c7.558,17.337) +5V.1@4.998,14.777 ; R0.1@8.318,13.398 ccw(c7.55,12.63) 7.55,13.716 ccw(c7.55,14.802) R0.1@8.318,14.034 ; v2@23.114,71.556 ccw(c23.114,72.485) 23.771,71.828 ccw(c24.428,71.171) v2@23.499,71.171 ; v2@23.114,71.628 v2(23.114,71.171) 26.873,74.93 U7.9@26.873,75.184 ; v2@24.303,93.172 cw(c25.026,92.449) 25.026,93.472 ; v2(24.384,93.091) 24.765,93.472 51.308,93.472 ; v2@24.656,92.819 cw(c26.233,91.242) 26.233,93.472 ; 25.239,73.296 ccw(c23.605,74.93) U7.9@25.916,74.93 ; 26.093,74.15 ccw(c25.312,74.93) U7.9@26.416,74.93 28.194,76.708 37.338,76.708 U7.14@39.116,74.93 ; U7.9@26.416,75.43 ccw(c26.416,76.637) 27.27,75.784 ccw(c28.123,74.93) U7.9@26.916,74.93 ; U7.14@38.616,74.93 ccw(c37.409,74.93) 38.262,75.784 ccw(c39.116,76.637) U7.14@39.116,75.43 ; v2@51.036,91.712 ccw(c50.379,92.369) 51.308,92.369 ccw(c52.237,92.369) v2@51.58,91.712 ; v2(51.308,91.44) 51.308,93.472 ; v2@79.248,2.663 cw(c79.248,1.734) 79.905,2.391 cw(c80.562,3.048) v2@79.633,3.048 ; v2(79.248,3.048) 80.772,1.524 86.081,1.524 88.392,3.835 88.392,14.986 U9.14@92.202,18.796 ; 85.956,83.038 cw(c84.96,82.042) U5.9@86.368,82.042 ; 86.156,82.837 ccw(c86.868,83.548) U5.9@86.868,82.542 ; U5.9@86.868,82.042 86.868,82.125 75.521,93.472 51.308,93.472 ; U9.14@91.702,18.796 cw(c90.495,18.796) 91.348,17.942 cw(c92.202,17.089) U9.14@92.202,18.296 ; U2.20@151.792,47.344 ccw(c150.939,48.197) 152.146,48.197 ccw(c153.353,48.197) U2.20@152.5,47.344 ; U2.1@151.792,54.256 cw(c150.939,53.403) 152.146,53.403 cw(c153.353,53.403) U2.1@152.5,54.256 ; U2.20@152.146,46.99 U2.1@152.146,54.61 ; U10.9@175.522,7.62 ccw(c174.315,7.62) 175.168,8.474 ccw(c176.022,9.327) U10.9@176.022,8.12 ; U4.20@175.522,55.626 cw(c174.315,55.626) 175.168,54.772 cw(c176.022,53.919) U4.20@176.022,55.126 ; U10.9@176.022,7.62 174.498,9.144 174.498,18.796 U10.14@176.022,20.32 174.498,21.844 174.498,54.102 U4.20@176.022,55.626 ; U10.14@176.022,19.82 ccw(c176.022,18.613) 175.168,19.466 ccw(c174.315,20.32) 175.522,20.32 ccw(c174.315,20.32) 175.168,21.174 ccw(c176.022,22.027) U10.14@176.022,20.82 ; v2(192.532,25.4) 208.28,25.4 ; v2@192.804,25.128 cw(c193.461,24.471) 193.461,25.4 cw(c193.461,26.329) v2@192.804,25.672 ; U11.14@207.98,27.84 cw(c207.127,26.987) 208.334,26.987 cw(c209.541,26.987) U11.14@208.688,27.84 ; U11.14@208.334,28.194 208.334,25.454 208.28,25.4 ; U11.9@220.68,27.84 cw(c219.827,26.987) 221.034,26.987 cw(c222.241,26.987) U11.9@221.388,27.84 ; U11.9@221.034,28.194 221.034,25.962 220.472,25.4 208.28,25.4
  BottomLayer w0.5: R0.1@8.318,14.034 ccw(c7.55,14.802) 8.636,14.802 ccw(c9.722,14.802) R0.1@8.954,14.034 ; R0.1@8.636,13.716 8.636,33.02 6.096,35.56 6.096,54.864 7.62,56.388 17.018,56.388 ; U8.14@16.664,53.186 ccw(c15.811,54.039) 17.018,54.039 ccw(c18.225,54.039) U8.14@17.372,53.186 ; U8.9@17.018,40.132 19.253,42.367 19.253,51.308 U8.14@17.018,53.543 ; U8.9@17.018,40.632 ccw(c17.018,41.839) 17.872,40.986 ccw(c18.725,40.132) U8.9@17.518,40.132 ; U8.14@17.018,52.332 cw(c17.018,49.408) 19.086,51.476 ; 18.232,52.329 ccw(c17.018,51.115) U8.14@17.018,52.832 U8.14@17.018,53.543 ; v2@22.729,71.171 ccw(c21.8,71.171) 22.457,71.828 ccw(c23.114,72.485) v2@23.114,71.556 ; v2@22.842,70.899 ccw(c22.185,70.241) 22.185,71.171 ccw(c22.185,72.1) v2@22.842,71.443 ; v2@23.999,93.091 cw(c23.07,93.091) 23.727,92.434 cw(c24.384,91.777) v2@24.384,92.706 ; v2(24.384,93.091) 19.304,88.011 19.304,74.981 v2(23.114,71.171) 19.812,71.171 17.018,68.377 17.018,56.388 ; v2@51.036,91.168 cw(c50.379,90.511) 51.308,90.511 cw(c52.237,90.511) v2@51.58,91.168 ; v2(51.308,91.44) 51.308,64.516 ; U3.1@74.576,55.272 ccw(c73.723,54.419) 73.723,55.626 ccw(c73.723,56.833) U3.1@74.576,55.98 ; U3.1@75.284,55.272 cw(c76.137,54.419) 76.137,55.626 cw(c76.137,56.833) U3.1@75.284,55.98 ; 77.767,3.277 cw(c77.767,1.567) v2@78.976,2.776 ; v2(79.248,3.048) 79.019,3.277 55.651,3.277 51.308,7.62 51.308,64.516 ; U3.20@82.196,55.272 ccw(c81.343,54.419) 81.343,55.626 ccw(c81.343,56.833) U3.20@82.196,55.98 ; U3.20@82.55,55.126 cw(c82.55,53.919) 83.404,54.772 cw(c84.257,55.626) U3.20@83.05,55.626 ; U5.9@86.868,82.042 89.154,84.328 97.282,84.328 U5.14@99.568,82.042 ; U5.9@86.868,82.542 ccw(c86.868,83.749) 87.722,82.896 ccw(c88.575,82.042) U5.9@87.368,82.042 ; U9.9@91.702,6.096 ccw(c90.495,6.096) 91.348,6.95 ccw(c92.202,7.803) U9.9@92.202,6.596 ; U9.14@91.702,18.796 cw(c90.495,18.796) 91.348,17.942 cw(c92.202,17.089) U9.14@92.202,18.296 ; U9.9@92.202,6.096 89.992,8.306 89.992,16.586 U9.14@92.202,18.796 ; U5.14@99.068,82.042 ccw(c97.861,82.042) 98.714,82.896 ccw(c99.568,83.749) U5.14@99.568,82.542 ; U1.20@117.248,46.636 cw(c116.395,45.783) 117.602,45.783 cw(c118.809,45.783) U1.20@117.956,46.636 ; U1.20@117.602,46.99 117.602,41.885 117.856,41.631 ; U1.1@117.602,54.61 117.602,60.706 116.84,61.468 116.84,65.024 118.364,66.548 174.244,66.548 ; U2.20@152.146,46.99 155.351,46.99 ; U2.20@152.5,46.636 cw(c153.353,45.783) 153.353,46.99 cw(c153.353,48.197) U2.20@152.5,47.344 ; U6.14@154.432,88.646 157.226,91.44 167.132,91.44 ; U6.14@154.432,89.146 ccw(c154.432,90.353) 155.286,89.5 ccw(c156.139,88.646) U6.14@154.932,88.646 ; U6.9@166.778,89 ccw(c165.925,89.853) 167.132,89.853 ccw(c168.339,89.853) U6.9@167.486,89 ; U6.9@167.132,88.646 167.132,91.44 ; U4.1@168.048,55.272 ccw(c167.195,54.419) 167.195,55.626 ccw(c167.195,56.833) U4.1@168.048,55.98 ; U4.1@168.756,55.272 cw(c169.609,54.419) 169.609,55.626 cw(c169.609,56.833) U4.1@168.756,55.98 ; U4.20@175.668,55.272 ccw(c174.815,54.419) 174.815,55.626 ccw(c174.815,56.833) U4.20@175.668,55.98 ; U4.20@176.022,55.626 174.244,55.626 ; U10.14@176.376,19.966 cw(c178.823,17.519) 178.823,20.98 ; 177.616,20.98 ccw(c177.616,18.726) U10.14@176.022,20.32 176.682,20.98 180.111,20.98 184.912,25.781 192.786,25.781 192.532,25.527 v2(192.532,25.4) ; 190.683,25.781 cw(c190.683,23.551) v2@192.26,25.128 ; 191.89,25.781 cw(c191.89,24.758) v2@192.613,25.481 ; U12.14@207.98,82.396 ccw(c207.127,83.249) 208.334,83.249 ccw(c209.541,83.249) U12.14@208.688,82.396 ; U12.14@208.334,82.042 208.334,86.255 ; U12.9@220.534,82.042 ccw(c219.327,82.042) 220.18,82.896 ccw(c221.034,83.749) U12.9@221.034,82.542 ; U12.9@221.034,82.042 216.767,86.309 208.388,86.309 208.334,86.255 ; U8.14@17.018,53.543 17.018,56.388 ; 51.308,64.516 60.198,55.626 U3.1@74.93,55.626 U3.20@82.55,55.626 84.836,53.34 84.836,50.241 93.447,41.631 117.856,41.631 ; 117.856,41.631 149.991,41.631 155.351,46.99 ; 155.351,46.99 163.987,55.626 U4.1@168.402,55.626 174.244,55.626 ; 167.132,91.44 174.244,91.44 ; 174.244,55.626 174.244,66.548 ; 174.244,66.548 174.244,91.44 ; 174.244,91.44 198.936,91.44 204.067,86.309 208.28,86.309 208.334,86.255

## Polygon pours and split planes (outlines as drawn)
GND on BottomLayer "Bottom Layer-No Net" (solid, remove dead copper, pour order 4): 0,0 0,96 234,96 234,0 0,0
GND on TopLayer "Bottom Layer-No Net" (solid, remove dead copper, pour order 3): 0,0 0,96 234,96 234,0 0,0

## Keep-outs
KeepOutLayer:
  lines w0.254: 0,94 cw(c2,94) 2,96 ; 232,0 ccw(c232,2) 234,2 ; 232,96 cw(c232,94) 234,94 ; 0,0 0,96 234,96 234,0 0,0

## Silkscreen, mask and mechanical layers (free items; w line width, h text height)
TopOverlay:
  text "---" at 62.992,89.916 h0.83 r180
  text "---" at 66.548,89.916 h0.83 r180
  text "DATA15" at 55.372,89.408 h0.83
  text "广东三向教仪" at 175.768,88.392 h5.76
  text "---" at 62.992,82.804 h0.83 r180
  text "DATA0" at 64.008,81.737 h0.83
  text "绿" at 94.488,75.184 h2
  text "红" at 105.156,75.184 h2
  text "绿" at 110.744,75.184 h2
  text "红" at 121.412,75.184 h2
  text "绿" at 130.048,75.184 h2
  text "红" at 140.716,75.184 h2
  text "绿" at 147.32,75.184 h2
  text "红" at 157.988,75.184 h2
  text "红" at 198.882,69.85 h2
  text "红" at 39.624,69.088 h2
  text "绿" at 198.882,65.786 h2
  text "绿" at 39.624,65.024 h2
  text "红" at 39.624,54.356 h2
  text "红" at 198.882,53.594 h2
  text "绿" at 39.624,50.292 h2
  text "绿" at 198.882,49.53 h2
  text "红" at 39.624,37.592 h2
  text "红" at 198.882,36.83 h2
  text "绿" at 39.624,33.528 h2
  text "绿" at 198.882,32.766 h2
  text "红" at 39.624,24.384 h2
  text "绿" at 92.964,22.352 h2
  text "红" at 103.632,22.352 h2
  text "绿" at 109.728,22.352 h2
  text "红" at 120.396,22.352 h2
  text "绿" at 128.016,22.352 h2
  text "红" at 138.684,22.352 h2
  text "绿" at 144.78,22.352 h2
  text "红" at 155.448,22.352 h2
  text "+" at 16.256,21.844 h2
  text "红" at 198.882,20.574 h2
  text "绿" at 39.624,20.32 h2
  text "绿" at 198.882,16.51 h2
  text "DATA8" at 56.591,11.887 h0.83
  text "---" at 61.671,11.887 h0.83
  text "D73-V1.2" at 20.828,6.096 h1.62
  text "---" at 57.607,4.267 h0.83
  text "---" at 62.179,4.267 h0.83
  text "DATA15" at 65.227,4.267 h0.83
  text "2018-08-21" at 20.828,2.54 h1.62
  text "交通灯系统" at 180.848,2.54 h5.76
  text "制板要求：厚度 2.0（mm）、板材 FR-4、铜厚 35um、镀层 喷锡、顶层阻焊 绿油、顶层字符 白字、底层阻焊 绿油、底层字符 白字" at 11.557,-7.357 h1.52
  text "PCB板尺寸：234*96（mm）.单双面板：双面" at 11.684,-9.516 h1.52
Mechanical1:
  lines w0.254: 0,2.032 ccw(c2.032,2.032) 2.032,0

## Text inside footprints (layer, text, board x,y; h text height)
JD1: TopOverlay "8" at 55.372,83.312 h1.27; TopOverlay "4" at 55.372,86.868 h1.27; TopOverlay "1" at 68.072,86.868 h1.27; TopOverlay "5" at 68.072,83.82 h1.27
JD2: TopOverlay "8" at 67.767,8.839 h1.27; TopOverlay "4" at 67.767,6.299 h1.27; TopOverlay "1" at 56.591,6.299 h1.27; TopOverlay "5" at 56.083,8.839 h1.27